# Altium PCB BC2087.PcbDoc (part 3 of 6) (continued)
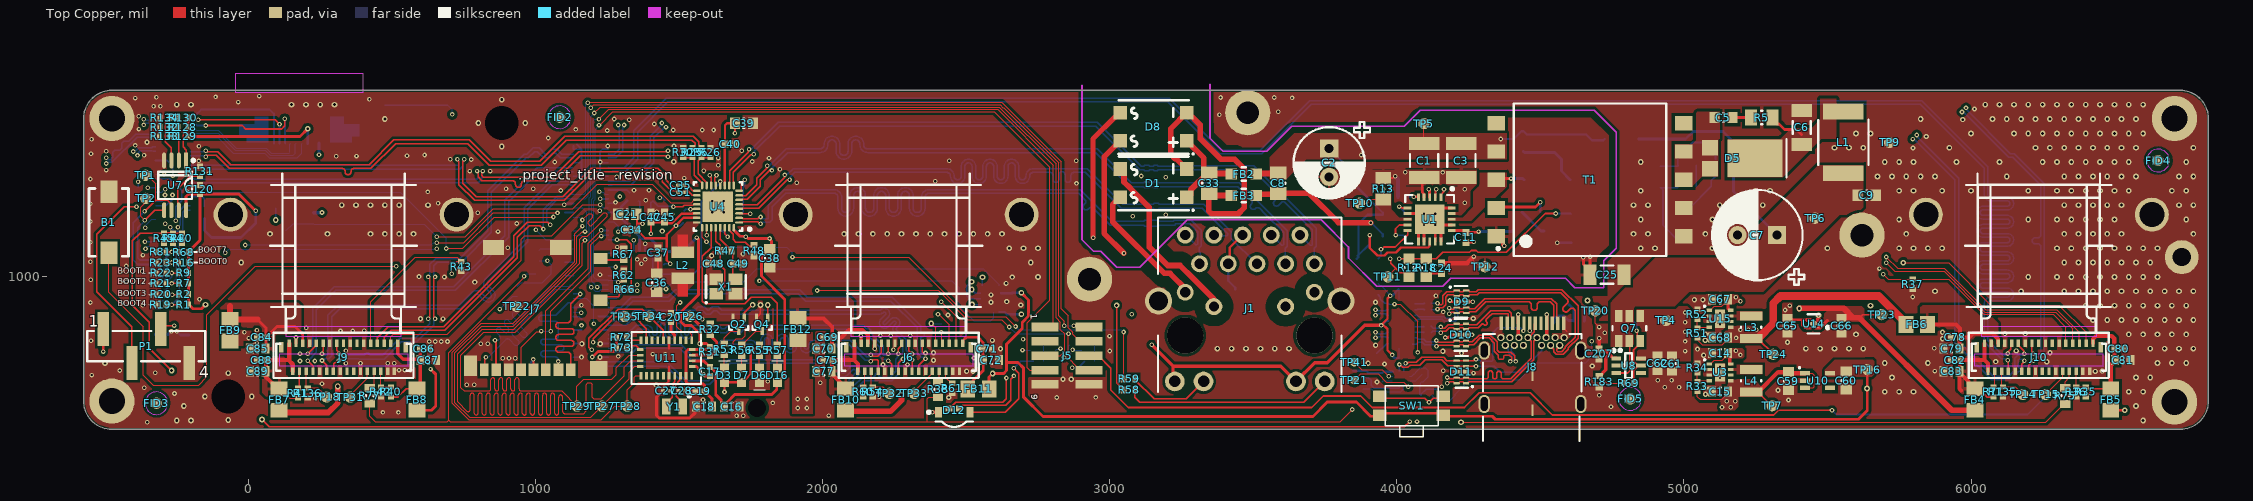
[diagram p0: Top Copper view]
## Nets (pads, with @x,y where several pads share a name; then routed paths per layer and width w, separated by ;. In a path a pad name is that pad's centre, name@x,y a point inside that pad or via, vN(x,y) a via of type N, cw(c..) or ccw(c..) an arc to the next point about the centre after c; other vN are vias at no path point) (continued)
  Bottom Copper w4: J2.67@1252.95,1192.91 1271.65,1192.91 1287.4,1177.17 v3(1287.4,1157.87)
CAM_R_PWM: J3.74 J9.9 R43.2 | length 1898.2
  Top Copper w4: J9.9@425.05,768.34 425.05,913.05 580,1068 726.75,1068 R43.2@740.89,1053.86 725.44,1053.86 707,1035.42 707,1012 v5(708,1011)
  Signal Layer 2 w4: v3(-294,1357) -294,1356 -155.31,1217.31 -155.31,1103.31 -10,958 683.4,960.56 708,985.15 v5(708,1011)
  Bottom Copper w4: J3.74@-324.02,1358.27 -323.38,1357.63 -294.63,1357.63 v3(-294,1357)
CAP: C20.1 U11.9 | length 69.8
  Top Copper w10: C20.1@1471,843.25 1471,810.1 1484.53,796.57 U11.9@1484.53,779.04
CC1: D11.5 D11.6 J8.A5 U62.2 | length 594.8
  Top Copper w5: v5(4030.26,699.31) 4032.37,701.42 4040.14,701.42 4040.64,701.91 4068.06,701.91 4086.46,720.31 4162.65,720.31 4174.3,708.66 D11.6@4207.97,708.66 D11.5@4240.85,708.66 4268.68,708.66 4272.61,712.6 v3(4275.59,712.6) ; v3(4440.94,811.84) 4441.93,812.82 4441.93,837.1 J8.A5@4442.91,838.08
  Bottom Copper w5: U62.2@4023.62,671.55 4023.62,691.3 4030.26,697.94 v5(4030.26,699.31) ; v3(4275.59,712.6) 4277.7,710.49 4288.59,710.49 4293.48,705.6 4329.96,705.6 4334.65,710.29 4334.65,805.07 4352.26,822.69 4429.88,822.69 4440.73,811.84 v3(4440.94,811.84)
CC2: D11.4 D11.7 J8.B5 U62.1 | length 609.4
  Top Copper w5: v5(4008.81,694.88) 4010.6,694.88 4020.66,684.81 4038.52,684.81 4046.62,692.91 4079.79,692.91 4098.19,711.31 4156.47,711.31 4177.82,689.96 4206.99,689.96 D11.7@4207.97,688.98 D11.4@4240.85,688.98 v3(4275.59,688.98)
  Signal Layer 2 w5: v3@4275.59,686.74 v3(4275.59,688.98) ; J8.B5@4500,757.37 J8.B5@4503.94,761.31
  Bottom Copper w5: U62.1@4007.87,671.55 4008.34,672.02 4008.34,694.41 v5(4008.81,694.88) ; v3(4275.59,688.98) 4338.58,688.98 4359.96,667.59 4428.42,667.59 4503.94,743.11 J8.B5@4503.94,761.31
CD_SW1: J7.9 R66.1 | length 94
  Top Copper w6: J7.9@1226.01,918.31 1239.08,931.38 1287.82,931.38 1291.34,934.9 R66.1@1291.34,956.69
CD_SW2: J7.10 R67.2 | length 88
  Top Copper w5.91: J7.10@1226.01,1059.06 J7.10@1226.01,1063.98 1230.93,1059.06 R67.2@1307.09,1059.06
CLK_N: R25.1 R30.2 U4.16 | length 142.9
  Top Copper w5.12: R30.2@1514.2,1415.9 R25.1@1545.91,1415.93 ; R25.1@1545.91,1415.93 1553.02,1408.82 1553.02,1353.44 1580.02,1326.44 U4.16@1580.02,1318.86
CLK_P: R6.1 R26.2 U4.15 | length 145.7
  Top Copper w5.12: U4.15@1595.77,1318.86 1595.77,1328.78 1565.81,1358.74 1565.81,1404.51 R6.1@1577.24,1415.93 R26.2@1608.73,1415.93
COM_AUX_IO2: J5.8 R39.2 R82.1 R83.1 | length 2417
  Top Copper w4.02: v3(1980.31,952.76) 2402.04,952.76 2503.79,851 2624.39,851 v3(2650,825.39) ; v3(2856.3,801.94) 2854.53,800.17 2854.53,718.05 2882.91,689.67 2882.91,688.35 2895.87,675.39 J5.8@2928.15,675.39
  Signal Layer 2 w4.02: v3(1041,1056) 1063.3,1056 1219.3,900 1424,900 1480,956 1542.05,956 1614.05,884 1911.56,884 v3(1980.31,952.76)
  Bottom Copper w4: R83.1@936,968 947.48,979.48 1022.79,979.48 R39.2@1055.12,1011.81 1055.12,1041.88 v3(1041,1056)
  Bottom Copper w4.02: R82.1@1012.28,1057 1040,1057 v3(1041,1056) ; v3(2650,825.39) 2673.45,801.94 v3(2856.3,801.94)
CT1: D1.2 J1.11 | length 463.6
  Top Copper w19.68: D1.2@3035.79,1277.56 3010,1251.77 3010,1192.41 3190.15,1012.27 3210.05,1012.27 3266.56,955.76 3266.56,946.52 J1.11@3262.6,946.52
CT2: D1.3 J1.12 | length 640.2
  Top Copper w19.68: D1.3@3035.79,1375.98 3049.57,1362.2 3049.57,1330.6 3073.26,1306.91 3073.26,1306.74 3137.7,1242.3 3137.7,1103.92 3201.67,1039.95 3244.9,1039.95 3288.96,995.89 3362.6,922.25 J1.12@3362.6,896.52
ENV_SCL: R72.2 U11.15 | length 55.4
  Top Copper w5: R72.2@1316.72,790 1316.72,788.03 1325.71,779.04 U11.15@1366.42,779.04
ENV_SDA: R73.2 U11.16 | length 57.3
  Top Copper w5: R73.2@1316.72,753 1316.72,754.64 1323.07,761 1350,761 U11.16@1363.96,747.05
EROUT: R12.1 R18.2 U1.3 U2.4 | length 1043.9
  Top Copper w5.91: v3(4007.87,1062.99) R12.1@4042.09,1062.99 R18.2@4102.75,1062.99 4137.1,1062.99 4159.74,1085.63 4252.85,1085.63 4259.03,1091.81 4276.38,1091.81 4282.56,1085.63 4381.14,1085.63 4516.42,1220.91 v3(4553.41,1220.91)
  Top Copper w10: v3(4111.28,1305.05) 4111.28,1303.42 4114.22,1300.48 4114.22,1277.64 U1.3@4114.3,1277.56
  Signal Layer 2 w5.91: v3(4007.87,1062.99) 3981.67,1089.2 3981.67,1239.88 4006.37,1264.58 4070.82,1264.58 v3(4111.28,1305.05)
  Bottom Copper w5.91: v3(4553.41,1220.91) 4605.83,1220.91 U2.4@4607.45,1219.29
FSIN1: J10.8 R75.2 | length 64.7
  Top Copper w4: R75.2@6328.45,613.03 6328.45,635.54 6342.66,649.75 J10.8@6342.66,671.88
FSIN2: J9.8 R77.2 | length 66.4
  Top Copper w4.02: R77.2@422.01,613.69 425.27,613.69 437.15,625.57 J9.8@437.15,671.88
FSIN3: J6.8 R38.2 | length 37.3
  Top Copper w4: R38.2@2402,636.05 2405.66,639.7 J6.8@2405.66,671.88
GND: B1.1 C6.1 C7.2 C9.1 C10.1 C12.1 C13.1 C14.1 C15.1 C16.1 C17.1 C18.1 C19.1 C20.2 C21.1 C25.2 C27.1 C28.1 C34.1 C36.1 C37.1 C38.1 C39.1 C40.1 C41.1 C42.1 C43.1 C44.1 C45.1 C46.1 C47.1 C48.1 C49.1 C50.1 C52.1 C53.1 C55.1 C58.1 C59.1 C60.1 C61.2 C62.2 C65.1 C66.1 C67.1 C68.1 C69.1 C70.1 C71.1 C72.1 C73.1 C74.1 C75.1 C76.1 C77.1 C78.1 C79.1 C80.1 C81.1 C82.1 C83.1 C84.1 C85.1 C86.1 C87.1 C88.1 C89.1 C97.1 C120.1 C207.1 D6.1 D9.3 D9.8 D10.3 D10.8 D11.3 D11.8 D17.3 D17.8 D18.3 D18.8 J1.19 J1.20 J2.1 J2.2 J2.7 J2.8 J2.13 J2.14 J2.19 J2.20 J2.25 J2.26 J2.30 J2.31 J2.43 J2.44 J2.50 J2.53 J2.58 J2.71 J2.72 J2.75 J2.76 J2.81 J2.82 J2.87 J2.88 J2.93 J2.94 J2.99 J2.100 J3.1 J3.2 J3.3 J3.4 J3.13 J3.14 J3.15 J3.16 J3.29 J3.30 J3.32 J3.38 J3.39 J3.40 J3.46 J3.49 J3.52 J3.55 J3.61 J3.67 J3.70 J3.73 J3.78 J3.79 J3.82 J3.85 J3.87 J3.88 J3.94 J3.100 J4.8 J4.10 J5.9 J5.10 J6.2 J6.4 J6.11 J6.12 J6.15 J6.18 J6.21 J6.24 J6.27 J6.31 J7.6 J7.11 J7.12 J7.13 J7.14 J8.A1 J8.A12 J8.B1 J8.B12 J8.G1 J8.Shell J9.2 J9.4 J9.11 J9.12 J9.15 J9.18 J9.21 J9.24 J9.27 J9.31 J10.2 J10.4 J10.11 J10.12 J10.15 J10.18 J10.21 J10.24 J10.27 J10.31 MH1.1 MH2.1 P1.4 pad.2@2929.28,992.13 pad.2@3480.31,1571.85 pad.2@5620.2,1145.67 pad.2@6708.81,564.45 pad.2@6708.81,1551.61 pad.2@6734,1069 pad.2@-476.23,567.36 pad.2@-476.23,1551.61 pad.3 Q1.2 Q2.2 Q3.2 Q4.2 Q5.2 Q6.2 R15.1 R19.1 R20.1 R21.1 R22.1 R23.1 R26.1 R30.1 R34.1 R36.1 R37.2 R42.1 R43.1 R48.1 R52.1 R54.2 R61.2 R62.2 R67.1 R70.1 R78.1 R81.1 R131.1 R132.1 R133.1 R134.1 R135.2 R136.2 R183.1 R185.2 SW2.1 SW2.3 T1.9 T1.10 TP3.1 TP9.1 TP19.1 TP22.1 U3.2 U3.3 U3.9 U4.33 U5.3 U6.2 U7.4 U8.2 U9.6 U9.7 U10.2 U11.2 U11.10 U11.25 U14.2 U14.5 U15.2 U15.3 U15.9 U61.5 U61.11 U61.20 U61.21 U62.3 U62.10 X1.2 X1.4 | length 2131.3
  Top Copper w4: J8.A12@4580.71,838.08 4580.71,820.37 4591.04,810.04 4592.52,810.04
  Top Copper w5: Q4.2@1769.31,859.02 1770.02,859.02 1783,872 v6(1783,902)
  Top Copper w6: C27.1@1443.53,603.1 1443.53,616.87 1462.92,636.26 1462.92,654.08 U11.25@1464.84,656 1464.84,689 ; 1464.84,750.75 U11.10@1464.84,779.04 ; C28.1@1519.75,603.1 1555.15,603.1 C19.1@1557.25,601
  Top Copper w10: J9.31@165.21,768.34 v2(165.21,789.59) ; R62.2@1307.09,1024.17 1308,1023.25 v2(1308,1009.59) ; C27.1@1443.53,603.1 1442.74,603.1 1421.13,581.49 1421.13,517.58 1430.71,508 1536.8,508 1555.8,527 1556,527 ; U11.2@1546.04,687.99 1560.01,687.99 v5(1571,677) ; v2(1585.2,660) 1590.95,654.25 C17.1@1607,654.25 ; v2(2133.01,795) 2133.71,795 J6.31@2133.71,768.34 ; v2(4168.81,788.87) 4179.9,788.87 4188.94,797.92 D10.3@4207.97,797.92 D10.8@4240.85,797.92 v2(4261.81,797.92) ; v2(4184.77,917.72) 4189.1,913.39 D9.3@4209.02,913.39 D9.8@4241.9,913.39 v2(4264.78,913.39) ; U8.2@4763.78,690.94 v4(4794,690.94) ; U14.5@5451.53,836.61 5455.98,836.61 U14.2@5468.78,849.41 v6(5468.78,866.91)
  Bottom Copper w4: C76.1@3949.51,634.14 3953.45,638.08 U62.10@3983.92,638.08
  Bottom Copper w6: 1102,1006.14 1104.2,1003.94 J2.44@1131.69,1003.94 ; 1102,1051.18 J2.50@1131.69,1051.18 ; 1102.52,1224.41 J2.72@1131.69,1224.41 ; v2@1105.2,1255.91 J2.76@1131.69,1255.91 ; 1113.41,1303.38 1131.46,1303.38 J2.82@1131.69,1303.15 ; J2.8@1131.69,720.47 v4@1168,720.47 ; J2.14@1131.69,767.72 v4@1162.88,767.72 ; J2.20@1131.69,814.96 1160.88,814.96 1161,815.08 ; J2.26@1131.69,862.2 1132.24,861.66 1151.22,861.66 1160.88,852 ; J2.30@1131.69,893.7 1152.21,893.7 v5(1159.51,901) ; J2.88@1131.69,1350.39 1156.49,1350.39 1160,1353.91 1160,1397.64 ; J2.94@1131.69,1397.64 1160,1397.64 ; 1132,1457 1131.69,1456.69 J2.100@1131.69,1444.88 1154.25,1444.88 1160,1439.13 ; 1143,1462 1149.72,1455.28 1149.72,1455 1160,1444.72 1160,1439.13 ; 1218,864 1219.8,862.2 J2.25@1252.95,862.2 ; v4@1219,769.92 1221.2,767.72 J2.13@1252.95,767.72 ; v4@1221,720.03 1252.51,720.03 J2.7@1252.95,720.47 ; 1221.91,815.08 1252.84,815.08 J2.19@1252.95,814.96 ; 1223,910 1223.55,909.45 J2.31@1252.95,909.45 ; 1229.17,671 1231.4,673.23 J2.1@1252.95,673.23 ; v2@1251,1459 J2.99@1251,1445.43 ; J2.43@1252.95,1003.94 1302.35,1003.94 v2(1308,1009.59) ; J2.53@1252.95,1082.68 1283.32,1082.68 1285,1081 ; J2.71@1252.95,1224.41 1253.25,1224.7 1277.7,1224.7 v5(1278,1225) ; J2.75@1252.95,1255.91 1253.5,1256.45 1272.29,1256.45 1275.29,1259.45 v5(1278,1259.45) ; J2.81@1252.95,1303.15 1317.85,1303.15 1326.56,1294.44 ; J2.87@1252.95,1350.39 1229,1350.39 1224.39,1355 v2@1224.39,1396.06 ; J2.93@1252.95,1397.64 1225.97,1397.64 v2@1224.39,1396.06 ; 1160,1397.64 1160,1439.13 ; v2@1224.39,1396.06 1224.39,1437.15 1233,1445.76 1233.34,1445.43 J2.99@1251,1445.43 ; J2.99@1251,1445.43 1252.41,1445.43 J2.99@1252.95,1444.88 1251.54,1444.88 J2.99@1251,1445.43
  Bottom Copper w10: -325,800 -279.75,800 v2(-268.54,811.21) ; v2(-250,811.21) -236.79,798 -207,798 ; U6.2@1381.77,1092.12 v2(1381.77,1116)
  other v1: -250.39,500 -200.39,500 6599.61,500 -70.72,501.41 -225.39,550 6574.61,550 -152.41,583.1 10.97,583.1 5699.61,600 5749.61,600 5799.61,600 6549.61,600 6599.61,600 5724.61,650 6574.61,650 6624.61,650 -70.72,664.8 -500.39,700 5699.61,700 5849.61,700 6649.61,700 6699.61,700 6749.61,700 3374.61,750 3424.61,750 3474.61,750 3524.61,750 3574.61,750 3624.61,750 5424.61,750 5474.61,750 5524.61,750 5574.61,750 5624.61,750 6624.61,750 6674.61,750 6724.61,750 6774.61,750 5599.61,800 6549.61,800 6599.61,800 6649.61,800 6699.61,800 6749.61,800 6424.61,850 6474.61,850 6524.61,850 6574.61,850 6624.61,850 6674.61,850 6724.61,850 6774.61,850 5649.61,900 6399.61,900 6449.61,900 6499.61,900 6549.61,900 6599.61,900 6649.61,900 6699.61,900 6749.61,900 5874.61,950 6174.61,950 6324.61,950 6374.61,950 6424.61,950 6474.61,950 6524.61,950 6574.61,950 6624.61,950 6674.61,950 6724.61,950 6774.61,950 2749.61,1000 6199.61,1000 6299.61,1000 6349.61,1000 6399.61,1000 6449.61,1000 6499.61,1000 6549.61,1000 6599.61,1000 6649.61,1000 -25.39,1050 2724.61,1050 6324.61,1050 6374.61,1050 6424.61,1050 6474.61,1050 6524.61,1050 6574.61,1050 6624.61,1050 2649.61,1100 2699.61,1100 2749.61,1100 4849.61,1100 4899.61,1100 5099.61,1100 5499.61,1100 5749.61,1100 5799.61,1100 5849.61,1100 5899.61,1100 6299.61,1100 6349.61,1100 6399.61,1100 6449.61,1100 6499.61,1100 6549.61,1100 6599.61,1100 6649.61,1100 74.61,1150 274.61,1150 424.61,1150 474.61,1150 524.61,1150 574.61,1150 2074.61,1150 2124.61,1150 2174.61,1150 2224.61,1150 2274.61,1150 2324.61,1150 2374.61,1150 2424.61,1150 2474.61,1150 2524.61,1150 2574.61,1150 2624.61,1150 4824.61,1150 4874.61,1150 5074.61,1150 5124.61,1150 5774.61,1150 6324.61,1150 6374.61,1150 6424.61,1150 6474.61,1150 6524.61,1150 6774.61,1150 4849.61,1200 5099.61,1200 5149.61,1200 5749.61,1200 6199.61,1200 6299.61,1200 6349.61,1200 6399.61,1200 6449.61,1200 6499.61,1200 6749.61,1200 324.61,1250 374.61,1250 424.61,1250 474.61,1250 524.61,1250 624.61,1250 4824.61,1250 4874.61,1250 5124.61,1250 5274.61,1250 6324.61,1250 6374.61,1250 6424.61,1250 6474.61,1250 6524.61,1250 6724.61,1250 6774.61,1250 4849.61,1300 5249.61,1300 5299.61,1300 5749.61,1300 5799.61,1300 5899.61,1300 5999.61,1300 6199.61,1300 6299.61,1300 6349.61,1300 6399.61,1300 6449.61,1300 6499.61,1300 6549.61,1300 6699.61,1300 6749.61,1300 5674.61,1350 5724.61,1350 5774.61,1350 5824.61,1350 5874.61,1350 6124.61,1350 6324.61,1350 6374.61,1350 6424.61,1350 6474.61,1350 6524.61,1350 6574.61,1350 6724.61,1350 6774.61,1350 4849.61,1400 5699.61,1400 5749.61,1400 5799.61,1400 5949.61,1400 6099.61,1400 6249.61,1400 6299.61,1400 6349.61,1400 6399.61,1400 6449.61,1400 6499.61,1400 6549.61,1400 6749.61,1400 5524.61,1450 5574.61,1450 5624.61,1450 5924.61,1450 6224.61,1450 6274.61,1450 6324.61,1450 6374.61,1450 6424.61,1450 6474.61,1450 6524.61,1450 6574.61,1450 6774.61,1450 882.03,1454.17 5599.61,1500 5649.61,1500 5999.61,1500 6149.61,1500 6199.61,1500 6249.61,1500 6299.61,1500 6349.61,1500 6399.61,1500 6449.61,1500 6499.61,1500 6549.61,1500 6599.61,1500 800.34,1535.86 963.73,1535.86 474.61,1550 5824.61,1550 6074.61,1550 6124.61,1550 6174.61,1550 6224.61,1550 6274.61,1550 6324.61,1550 6374.61,1550 6424.61,1550 6474.61,1550 6524.61,1550 6574.61,1550 -250.39,1600 -200.39,1600 149.61,1600 199.61,1600 249.61,1600 299.61,1600 6049.61,1600 6099.61,1600 6149.61,1600 6199.61,1600 6249.61,1600 6299.61,1600 6349.61,1600 6399.61,1600 6449.61,1600 6499.61,1600 6549.61,1600 6599.61,1600 882.03,1617.55
  other v2: -353,494 1700,516.41 1723,516.41 2021,517 468,528 522,528 4746,548 1826,561 1583,572 232,578 2815,580 2951,580.3 2197.35,582 4704.72,587.82 -258,594 -363.67,614 4983,615.23 4933,616 4155.98,617.56 760,624 786,624 255.91,627.86 1991.43,630.89 1808,636 4909,640 4957,640 -546,658 4267,665.02 -325,666 5874,672 4161.46,673.23 -449,674 524,675.42 544,675.42 564,675.42 2295.26,694.68 389.91,699 484.4,699 507,699 885,717 907,716.89 929,716.89 1287.82,723 1452,730 1407.46,731.14 2002,739 3000,742 2246.21,746.75 2180.95,749.33 29,750.42 5872,751 809,767 833,767 29,768.52 629,775 650,775 671,775 693,775 -549,778 2698,783 2999,794 2201,795 2237,795 2305,795 320.33,811.71 363,811.71 403,812 29,814 200.93,822.23 1581,852.89 4161.13,877.95 -369,901.57 -551,911 -171,922 5797,930 4136,933.95 -426,983.86 -550,990 1224,1008 -370.03,1020 5681,1029 -426,1038 -551,1053 -368,1076 903,1101.29 1283.82,1104 -551,1121 869,1158 -290.42,1185.61 934,1186 -551,1193 3080,1211 3195,1216.54 798,1224 1421.39,1226.86 1223,1230.39 1099.17,1251.46 -552,1255 660,1257 1384,1267 624,1296 1087,1301 1342.48,1302 1395,1302.38 897,1306.69 991.8,1306.69 2884,1325.68 1910,1328.39 2392,1333 -551,1341 1517.18,1344.39 1393,1344.88 3195,1347.48 1282.38,1348.62 3110,1351.41 -138,1360.58 770,1368.72 842,1368.72 1585.46,1369.58 -496,1372.16 1851.02,1375 1636,1389.47 1066.36,1400.26 1224.85,1400.26 1755,1402 -174,1404 2441,1405 2883,1405 703,1409.45 776,1409 1636,1414 1812.94,1414 305,1420 376,1421 552,1422 -364,1424 613,1424.7 -549,1429 -496,1438 1718.15,1440 -173,1455 1251,1456.03 -395,1458.03 -547,1480 1044.15,1484 1249.29,1510 1479,1511.81 1580.77,1511.81 1619.73,1511.81 1140,1513.73 -382,1515 1413,1532.65 1326,1547 1274,1550 -383.01,1560 3382,1565 3587,1575.18 -331,1595 -307,1595 -36,1609 421,1619 -395,1623.02 3635,1623.46 3386,1625 3573,1625 -321,1626 -115,1627 37,1630
  other v4: 5364.17,571.48 2439,580.12 5075,591.15 5327.83,605.17 5075,613.48 1420,624 3931,634.18 2837,643.48 2866,643.48 2501.31,671.48 2523.22,671.48 6433,670.95 6457.23,671.83 4680.62,689.96 2210,695 3957,696.95 3900,699.26 6263.75,704.28 6086,704.98 2386,710 1159.74,720.47 1224.17,720.03 5068.74,727.17 4225.46,734.48 2386,735.95 6275,735.81 4160.24,741.21 6157.35,742.37 5047.24,748.48 2619,750 3926.16,761.97 1161,767 1225,767 5361,772.48 2591,779 5074,779.48 5901,784.48 5074,800.48 6117.96,802.48 6188.83,802.48 5901,807.29 599,854.33 677,853.93 4266,854.96 2436.29,867.11 2690,902.48 2586,911.48 3925.65,911.95 2641,913.89 5036.42,920.39 5066,920.39 2586,937.48 1409,959 2639,977.48 788,981.78 2660.33,999.22 682,1000 594,1001 1613,1074 1722.74,1080.21 1440.94,1159.43 1481,1401 5798,1448.95 1482,1456 -354,1468.95 5844,1488.95 5971,1547.95 6012,1584.95
  other v5: 339,699 179,707 231,707 179,732.28 339,743
  other v7: 5125.98,647.94 5125.98,687.31 5125.98,834.65 5125.98,874.02 1615.46,1225.36 1654.83,1225.36 1615.46,1264.73 1654.83,1264.73
GPIO7/sd_hst_cd: J2.59 R66.2 | length 245
  Top Copper w6: v3(1283.46,1129.92) 1317.23,1129.92 1332.98,1114.17 1332.98,958.96 R66.2@1330.71,956.69
  Bottom Copper w6: J2.59@1252.95,1129.92 v3(1283.46,1129.92)
HSO: R8.2 U1.10 | length 165.5
  Top Copper w5.91: v3(3944.88,1096.18) 3947.2,1096.18 3954.96,1103.94 3994.85,1103.94 4037.53,1146.62 U1.10@4037.53,1161.42
  Bottom Copper w5.91: R8.2@3935.17,1062.99 3944.88,1072.71 v3(3944.88,1096.18)
I2C0_SCL: J3.34 TP1.1 U7.6 | length 511.1
  Top Copper w4: TP1.1@-359.26,1353.94 -353.94,1353.94 -323.71,1323.71 -323.71,1266.84
  Top Copper w6: v3(-362.2,1228.35) -323.71,1266.84 -282.59,1266.84 -268.7,1252.95 U7.6@-268.7,1232.28
  Bottom Copper w6: v3(-362.2,1228.35) -402,1188.55 -402,1059 -386.31,1043.31 J3.34@-324.02,1043.31
I2C0_SDA: J3.36 TP2.1 U7.5 | length 378
  Top Copper w4: v3(-362.13,1197.32) -362.28,1197.32 -376.2,1211.24 -376.2,1242.4 -358.27,1260.34 TP2.1@-358.27,1273.62
  Top Copper w6: v3(-362.13,1197.32) -327.17,1232.28 U7.5@-294.29,1232.28
  Bottom Copper w6: v3(-362.13,1197.32) -362.13,1194.61 -386,1170.74 -386,1066 -379.06,1059.06 J3.36@-324.02,1059.06
I2C1_SCL: J2.35 J6.7 | length 1367.8
  Top Copper w4: v3(2413.39,807.85) 2415.28,805.96 2415.28,770.23 J6.7@2417.17,768.34
  Signal Layer 4 w4: v3(1353.41,972.27) 1354.17,972.27 1361.74,964.69 1369.58,964.69 1417.89,1013 2282.28,1013 2415.57,879.7 2415.57,810.04 v3(2413.39,807.85)
  Bottom Copper w4: J2.35@1252.95,940.94 1284.9,940.94 1310.19,966.24 1347.38,966.24 v3(1353.41,972.27)
I2C1_SDA: J2.33 J6.5 | length 1360.9
  Top Copper w4: v3(2401.57,870.08) 2404.09,870.08 2440.8,833.37 J6.5@2440.8,768.34
  Signal Layer 4 w4: v3(1353.54,952.27) 1356.78,952.27 1361.2,956.69 1372.9,956.69 1421.2,1005 2266.65,1005 v3(2401.57,870.08)
  Bottom Copper w4: J2.33@1252.95,925.2 1281.72,925.2 1313.52,957 1348.8,957 v3(1353.54,952.27)
I2C2_SCL: J2.77 J10.7 | length 5685.1
  Top Copper w4: v2(5704.72,1049.43) 5735.16,1019 5906.06,1019 6047.36,877.7 6295.53,877.7 6354.18,819.05 J10.7@6354.18,768.34
  Signal Layer 2 w4: v3(1224.77,1271.8) 1236.09,1283.12 1236.09,1341.9 1372.42,1478.22 3190.58,1478.22 3338.1,1330.71 3633.86,1330.71 3795.28,1169.29 3795.28,1096.72 3892.39,999.61 4915.37,999.61 4965.2,1049.43 v2(5704.72,1049.43)
  Bottom Copper w6: v3(1224.77,1271.8) 1224.85,1271.73 J2.77@1252.95,1271.65 J2.77@1252.95,1271.65
I2C2_SDA: J2.79 J10.5 | length 5708.2
  Top Copper w4: v2(5704.72,1069.43) 5704.72,1069.23 5743.96,1030 5906.37,1030 6050.67,885.7 6298.84,885.7 6377.8,806.74 J10.5@6377.8,768.34
  Signal Layer 2 w4: v3(1222.09,1296.4) 1222.09,1339.21 1369.1,1486.22 3193.9,1486.22 3337.6,1342.52 3637.8,1342.52 3805.1,1175.22 3805.1,1099.85 3895.95,1009 4909,1009 4959.06,1059.06 5694.35,1059.06 v2(5704.72,1069.43)
  Bottom Copper w4: v3(1222.09,1296.4) 1224.39,1294.1 1236.01,1294.1 1242.72,1287.4 J2.79@1252.95,1287.4
I2C3_SCL: J2.78 J5.2 J9.7 | length 3748.6
  Top Copper w4.02: v3(1192,1589.1) 1202.25,1599.35 2618.58,1599.35 2627.93,1590 2630.47,1590 2822.83,1397.64 2822.83,864.51 2842.01,845.33 2842.01,830.09 v3(2841.87,829.94) ; v3(2874.02,829.94) 2923.6,829.94 J5.2@2928.15,825.39
  Top Copper w5: J9.7@448.67,768.34 448.67,788.67 487,827 680,827 923.58,1070.58 923.58,1144.06 970.52,1191 1041.55,1191 v2(1050.55,1182)
  Bottom Copper w4.02: J2.78@1131.69,1271.65 1172.04,1271.65 1183.35,1282.96 1183.35,1580.45 v3(1192,1589.1) ; v3(2841.87,829.94) v3(2874.02,829.94)
  Bottom Copper w5: v2(1050.55,1182) 1039,1193.55 1039,1232.9 1077.75,1271.65 J2.78@1131.69,1271.65
I2C3_SDA: J2.80 J5.4 J9.5 | length 3761
  Top Copper w4.02: v3(1181,1607) 1182,1608 2623.81,1608 2830.85,1400.96 2830.85,889.62 2855.87,864.6 2855.87,822.4 2870.31,807.97 2870.31,800.95 2895.87,775.39 J5.4@2928.15,775.39
  Top Copper w5: J9.5@472.29,768.34 472.29,790.29 497,815 684,815 936,1067 936,1138 977,1179 1014.96,1179 v2(1027,1166.96)
  Bottom Copper w4.02: J2.80@1131.69,1287.4 1169.71,1287.4 1175.2,1292.89 1175.2,1601.2 v3(1181,1607)
  Bottom Copper w5: v2(1027,1166.96) 1027,1233.63 1074.37,1281 1113,1281 1119.4,1287.4 J2.80@1131.69,1287.4
I2C4_SCL_1V8: J3.59 P1.3 | length 931.3
  Top Copper w5: P1.3@-306.43,818.06 -293.98,830.5 v2(-258.97,830.5)
  Signal Layer 2 w5: v2(-258.97,830.5) -340.5,830.5 -407,897 -407,1254.64 -392.64,1269 -298.3,1269 -236,1206.7 -236,1183.09 v2(-246.04,1173.05)
  Bottom Copper w5: v2(-246.04,1173.05) -246.04,1173.9 -238.45,1181.48 -238.45,1232.89 -223.31,1248.03 J3.59@-202.76,1248.03
I2C4_SDA_1V8: J3.57 P1.2 | length 1015.2
  Top Copper w5: P1.2@-406.43,699.94 -406.43,826.43 -529,949 -529,1147.77 -432.77,1244 v7(-390.27,1244)
  Signal Layer 2 w5: v7(-390.27,1244) -374.27,1260 -302.02,1260 -272.42,1230.4 v7(-272.42,1173.42)
  Bottom Copper w5: v7@-272.06,1173.05 v7(-272.42,1173.42) -272.42,1172.83 -258.14,1158.55 -232.83,1158.55 -229.45,1161.93 -229.45,1225.23 -222.39,1232.28 J3.57@-202.76,1232.28
ISNS: R13.1 TP10.1 U1.1 U1.8 | length 398.2
  Top Copper w4: TP10.1@3870.08,1257.32 3896.52,1257.32 3909.45,1270.25 3952.19,1270.25 R13.1@3952.76,1269.69
  Top Copper w5.91: R13.1@3952.19,1270.25 v3(3952.19,1305.82) ; U1.1@4153.67,1277.56 4153.67,1286.42 4162.13,1294.87 4162.13,1303.89 v3(4164.06,1305.82)
  Signal Layer 2 w5.91: v3(3952.19,1305.82) 3988.33,1305.82 4022.49,1339.97 4132.73,1339.97 4159.46,1313.25 4159.46,1313.15 4164.06,1308.55 v3(4164.06,1305.82)
LED0_10_GRN: R57.1 U4.27 | length 695.8
  Top Copper w5: U4.27@1611.52,1171.22 1611.52,1102.34 1581,1071.83 1581,915.4 1590.4,906 1728.07,906 1751.07,929 1821,929 1841.97,908.03 R57.1@1841.97,763.78
LED0_10_GRN1: D16.1 R57.2 | length 42.3
  Top Copper w4: D16.1@1841.97,682.09 R57.2@1841.97,724.41
LED1_100_OR: R58.1 U4.26 | length 1860.7
  Top Copper w4: v2@1595.77,1145.32 U4.26@1595.77,1171.22
  Top Copper w5: v6(3024,901) 3024,630.57 R58.1@3048.33,606.24
  Signal Layer 2 w5: v2(1595.96,1145.13) 1636.09,1105 1798.71,1105 1802.71,1101 2586,1101 2787,900 3023,900 v6(3024,901)
LED1_100_OR1: J1.18 R58.2 | length 724.2
  Top Copper w5: R58.2@3087.7,606.24 3087.7,580.3 3105.01,562.99 3675.73,562.99 J1.18@3748.62,635.89
LED2_1000_GRN: R59.1 U4.25 | length 1810.1
  Top Copper w4: U4.25@1580.02,1171.22 1580.02,1137.98 v3(1595,1123) ; v3(1894.7,1069.12) 1895.3,1068.52 2299.99,1068.52 2507.51,861 2638.1,861 v3(2671.86,827.23) ; v3(3048,807.97) 3048.33,807.63 R59.1@3048.33,644.41
  Bottom Copper w4: v3(1595,1123) 1596,1123 1615.65,1103.35 1875,1103.35 1894.7,1083.65 v3(1894.7,1069.12) ; v3(2671.86,827.23) 2683.15,815.94 2993.8,815.94 3040.02,815.94 v3(3048,807.97)
LED2_1000_GRN1: J1.16 R59.2 | length 294.2
  Top Copper w5: R59.2@3087.7,644.41 3087.7,642.45 3155.35,574.8 3265.49,574.8 J1.16@3326.57,635.89
MD1_N: D17.2 D17.9 J1.2 U4.2 | length 2405.7
  Top Copper w5.12: U4.2@1708.96,1205.67 1719.55,1205.67 1722.36,1202.86 1760.46,1202.86 1761.34,1201.97 1773.03,1201.97 1779.72,1208.66 v3(1783.46,1208.66)
  Bottom Copper w5.12: v3(1783.46,1208.66) 1786.4,1208.66 1791.76,1203.31 1809.37,1203.31 1810.87,1204.81 1810.87,1249.67 1865.33,1304.13 1989.94,1304.13 2038.72,1304.13 cw(c2038.72,1276.97) 2065.88,1276.97 2065.88,1238.88 ccw(c2080.25,1238.88) 2080.25,1224.51 ccw(c2080.25,1238.88) 2094.62,1238.88 2094.62,1283.86 cw(c2121.78,1283.86) 2121.78,1311.02 cw(c2121.78,1283.86) 2148.95,1283.86 2148.95,1238.88 ccw(c2163.32,1238.88) 2163.32,1224.51 ccw(c2163.32,1238.88) 2177.69,1238.88 2177.69,1283.86 cw(c2204.85,1283.86) 2204.85,1311.02 cw(c2204.85,1283.86) 2232.01,1283.86 2232.01,1238.88 ccw(c2246.38,1238.88) 2246.38,1224.51 ccw(c2246.38,1238.88) 2260.75,1238.88 2260.75,1283.86 cw(c2287.91,1283.86) 2287.91,1311.02 cw(c2287.91,1283.86) 2315.07,1283.86 2315.07,1238.88 ccw(c2329.44,1238.88) 2329.44,1224.51 ccw(c2329.44,1238.88) 2343.81,1238.88 2343.81,1276.97 cw(c2370.97,1276.97) 2370.97,1304.13 2379.92,1304.13 2896.66,1304.13 3007.38,1193.4 3117.91,1193.4 3121.36,1196.85 D17.2@3128.54,1196.85 D17.9@3161.42,1196.85 3168.6,1196.85 3172.05,1193.4 3221.02,1193.4 3224.86,1197.24 3283.31,1197.24 3318.66,1161.88 3318.66,1108.91 3311.92,1102.16 3311.92,1087.01 3314.48,1084.45 3314.48,1047.61 J1.2@3312.6,1045.73
MD1_P: D17.1 D17.10 J1.1 U4.1 | length 2403.8
  Top Copper w5.12: U4.1@1708.96,1189.92 1719.55,1189.92 1722.36,1192.74 1756.27,1192.74 1757.15,1191.85 1773.03,1191.85 1779.72,1185.16 v3(1783.46,1185.16)
  Bottom Copper w5.12: v3(1783.46,1185.16) 1786.4,1185.16 1791.76,1190.52 1814.67,1190.52 1823.66,1199.51 1823.66,1244.37 1870.63,1291.34 1989.94,1291.34 2038.72,1291.34 cw(c2038.72,1276.97) 2053.09,1276.97 2053.09,1238.88 ccw(c2080.25,1238.88) 2080.25,1211.72 ccw(c2080.25,1238.88) 2107.41,1238.88 2107.41,1283.86 cw(c2121.78,1283.86) 2121.78,1298.23 cw(c2121.78,1283.86) 2136.15,1283.86 2136.15,1238.88 ccw(c2163.32,1238.88) 2163.32,1211.72 ccw(c2163.32,1238.88) 2190.48,1238.88 2190.48,1283.86 cw(c2204.85,1283.86) 2204.85,1298.23 cw(c2204.85,1283.86) 2219.22,1283.86 2219.22,1238.88 ccw(c2246.38,1238.88) 2246.38,1211.72 ccw(c2246.38,1238.88) 2273.54,1238.88 2273.54,1283.86 cw(c2287.91,1283.86) 2287.91,1298.23 cw(c2287.91,1283.86) 2302.28,1283.86 2302.28,1238.88 ccw(c2329.44,1238.88) 2329.44,1211.72 ccw(c2329.44,1238.88) 2356.6,1238.88 2356.6,1276.97 cw(c2370.97,1276.97) 2370.97,1291.34 2379.92,1291.34 2891.36,1291.34 2896.96,1285.74 2898.77,1283.93 2913.52,1269.17 cw(c2906.15,1261.8) 2913.52,1254.42 2910.09,1250.99 ccw(c2917.47,1243.61) 2910.09,1236.23 ccw(c2917.47,1243.61) 2924.85,1236.23 2928.28,1239.67 cw(c2935.66,1232.29) 2943.03,1239.67 2955.15,1227.55 2956.96,1225.74 3002.09,1180.61 3117.91,1180.61 3121.36,1177.17 D17.1@3128.54,1177.17 D17.10@3161.42,1177.17 3168.6,1177.17 3172.05,1180.61 3226.32,1180.61 3230.16,1184.45 3278.01,1184.45 3305.87,1156.59 3305.87,1114.21 3302.87,1111.21 3298.63,1111.21 3264.11,1145.73 J1.1@3262.6,1145.73